# Altium PCB PCB_CAR.PcbDoc (part 3 of 3)
Units mil, origin at the board's own origin, x right, y up, seen from the top; angles counter-clockwise.
Board outline 3935 x 3900 mil, 4 copper layers (Top Layer, GND, PWR, Bottom Layer), stack 23.756 mil thick; 301 components, 202 nets, 1108 pads, 579 vias.
Unrouted connection lines stored in the file: 7.
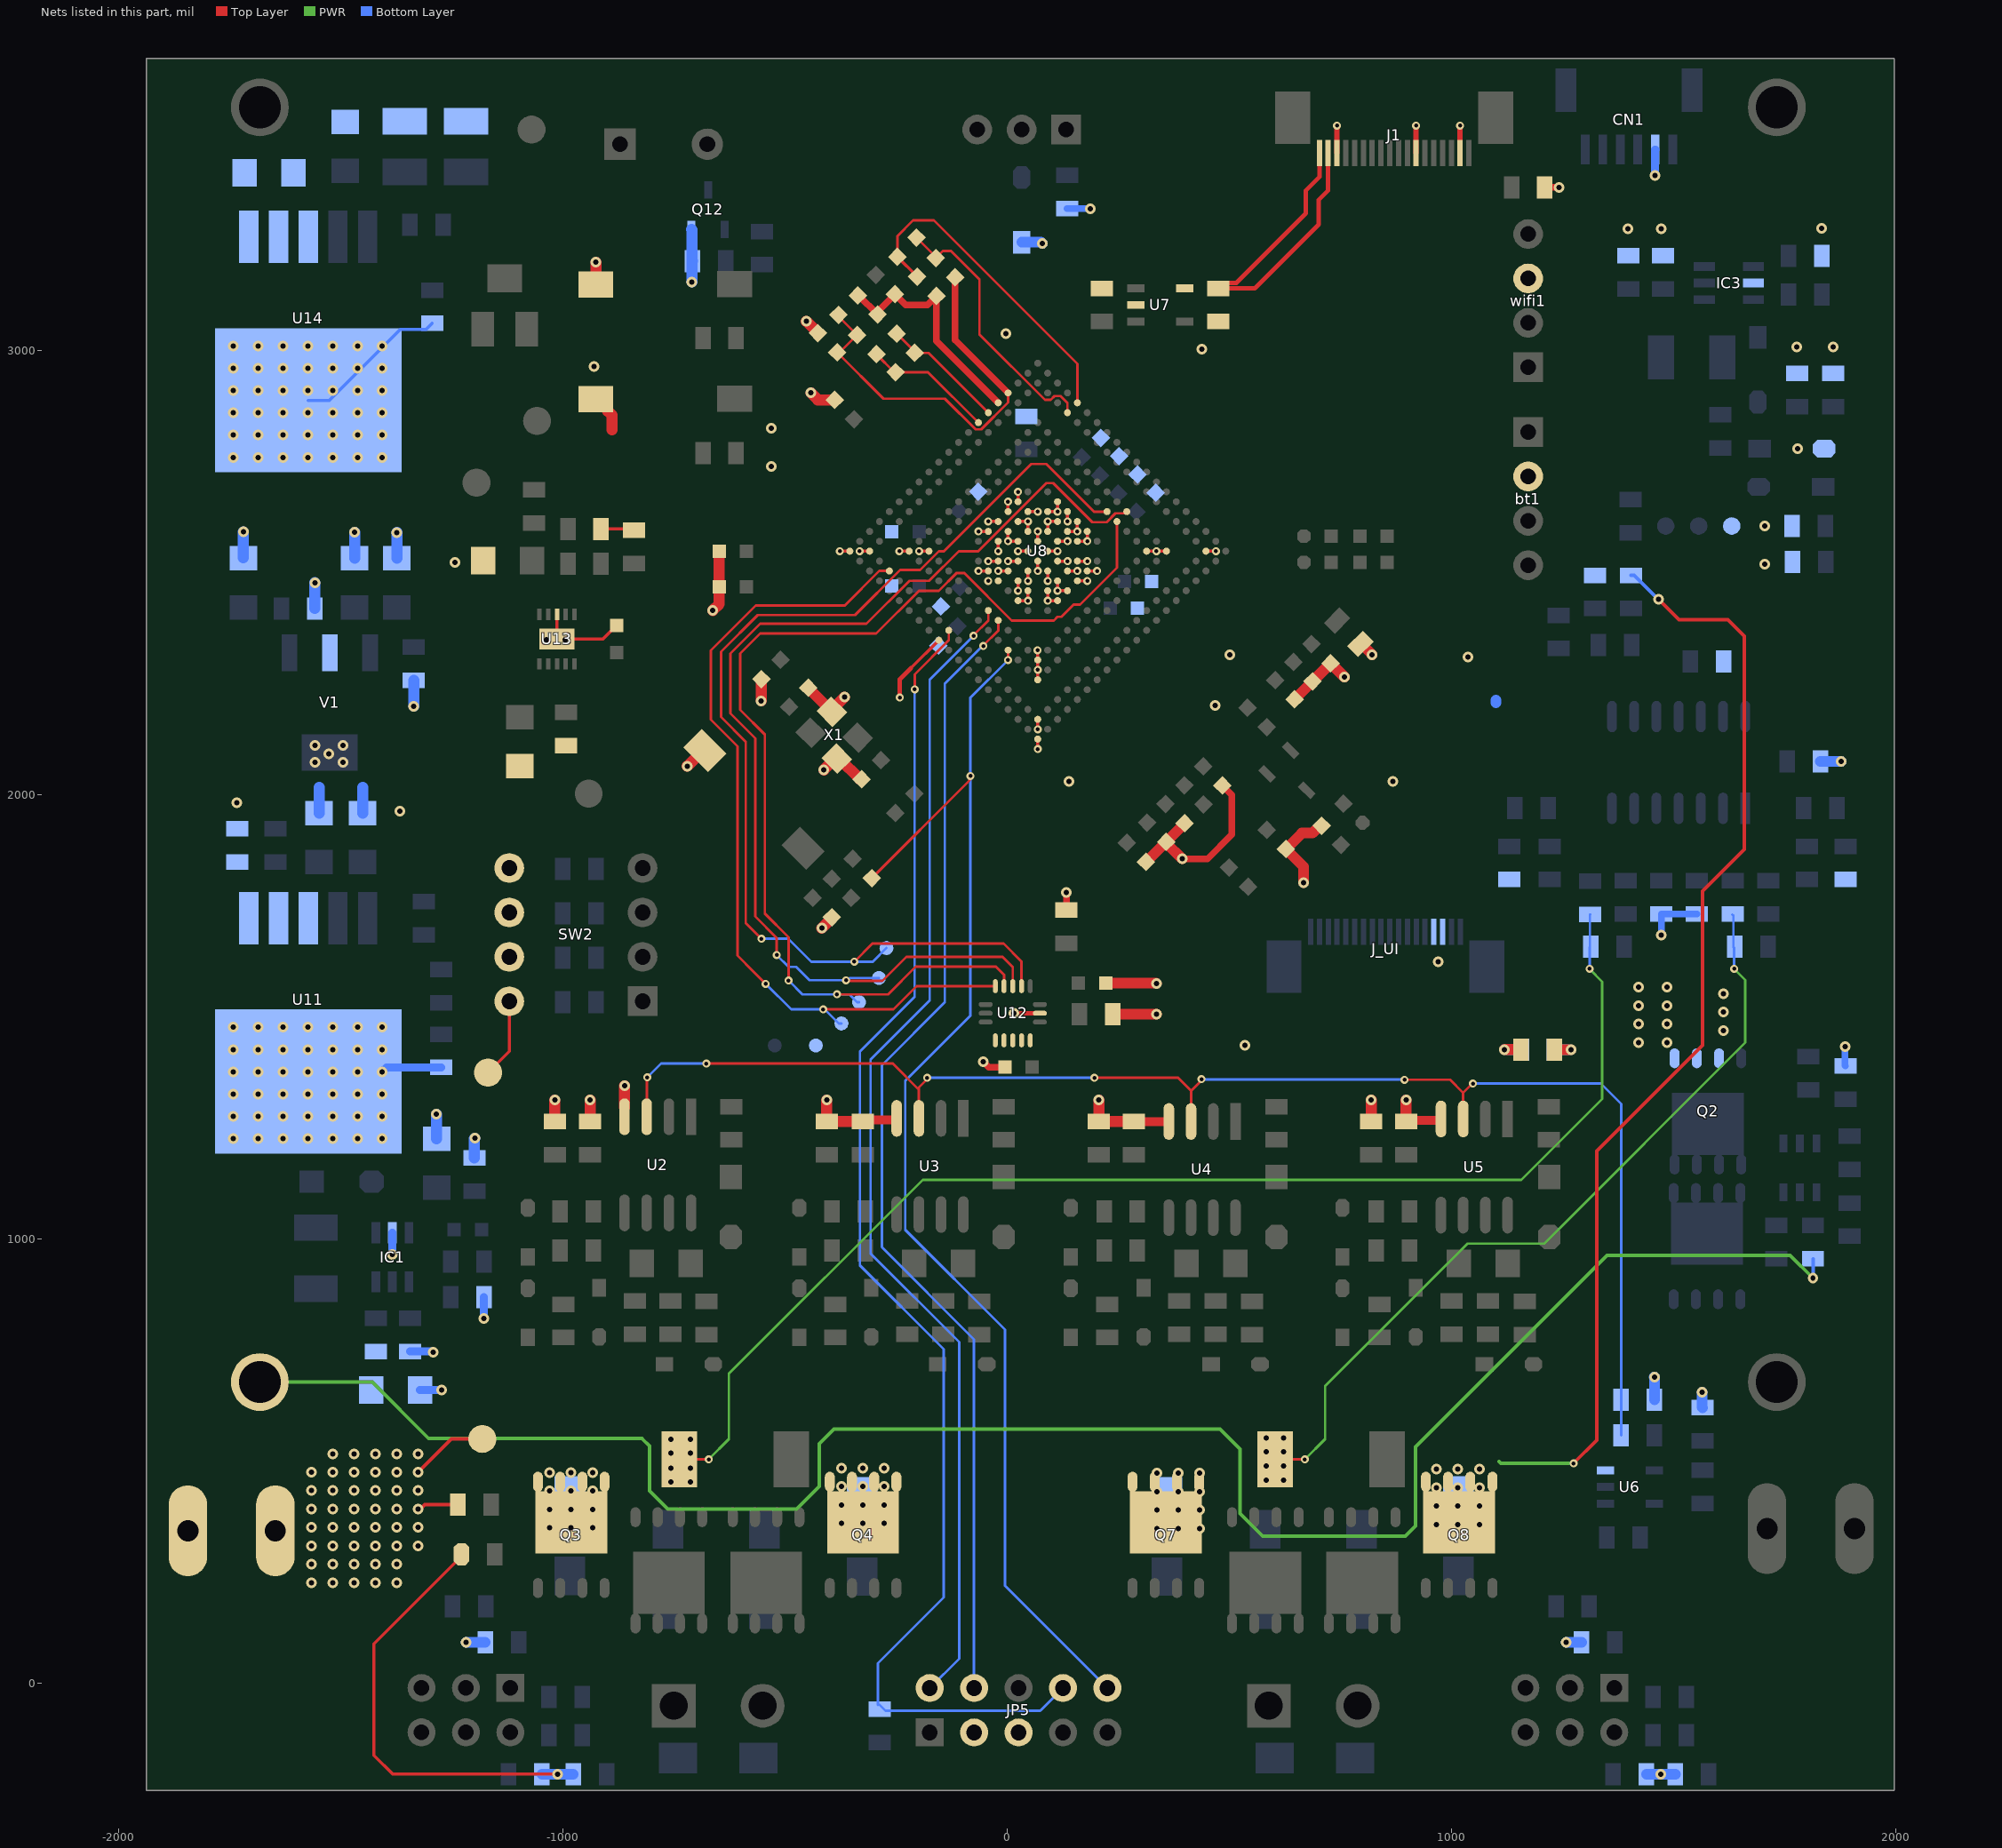
[diagram p5: the nets of this part, all layers, seen from the top]

## Via types
v1: diameter 24, hole 12, Top Layer to Bottom Layer, 415 vias
v2: diameter 18, hole 9, Top Layer to Bottom Layer, 163 vias
v3: diameter 48, hole 20, Top Layer to Bottom Layer, 1 vias

## Nets (pads, with @x,y where several pads share a name; then routed paths per layer and width w, separated by ;. In a path a pad name is that pad's centre, name@x,y a point inside that pad or via, vN(x,y) a via of type N, cw(c..) or ccw(c..) an arc to the next point about the centre after c; other vN are vias at no path point) (continued)
PB+: R2.2 U1.1 总电源.1 | length 4423.3
  PWR w8: U1.1@-1683,677.92 -1429.92,677.92 -1302.55,550.55 -822.43,550.55 -806.03,534.15 -806.03,433.33 -764.71,392.01 -474.99,392.01 -424,443 -424,538.8 -390.91,571.89 478.52,571.89 523.34,527.07 523.34,381.72 574.18,330.88 895.64,330.88 918.47,353.7 918.47,531.91 1349.75,963.2 1761.8,963.2 v1(1813.37,911.63)
  Bottom Layer w8: v1(1813.37,911.63) R2.2@1813.37,955.45
  Bottom Layer w15: v1(1813.37,911.63) v1@1815,910
PB-: bt1.2 C3.1 C3V3.1 C4.2 C5.1 C6.2 C7.1 C8.2 C9.1 C10.2 C12.2 C13.1 C14.1 C15.2 C33.2 C34.2 C35.2 C36.1 C37.1 C38.1 C39.1 C40.1 C41.2 C42.2 C43.1 C44.1 C45.2 C46.1 C47.2 C48.1 C49.2 C50.1 C51.2 C52.1 C53.1 C54.1 C55.1 C56.1 C57.1 C58.1 C59.2 C60.1 C61.2 C62.2 C63.2 C64.1 C65.1 C66.2 C67.2 C68.2 C69.2 C71.2 C72.2 C73.1 C74.1 C76.1 C77.1 C78.1 C79.1 C85.1 C86.1 C88.1 C131.1 CN1.5 D2.2 D28.1 GND.1 IC3.2 J1.2 J1.7 J1.16 J_UI.3 J_UI.4 JP5.3 JP5.5 L6.1 L7.1 L8.1 LB6.2 LED1.2 Q2.1 Q2.2 Q2.3 Q12.2 R3.1 R7.2 R10.2 R40.2 R41.2 R47.2 R50.2 R51.1 R59.2 R70.1 R79.2 R87.2 R89.2 R91.2 RC1.1 RC2.1 RES.1 RSH2.2 RSH6.2 SW2.5 SW2.6 SW2.7 SW2.8 SW3.2 SW4.2 U6.3 U7.2 U8.A20 U8.B2 U8.B19 U8.D4 U8.D17 U8.E5 U8.E16 U8.G9 U8.G10 U8.G11 U8.G12 U8.H9 U8.H10 U8.H11 U8.H12 U8.J7 U8.J8 U8.J10 U8.J11 U8.J13 U8.J14 U8.K7 U8.K8 U8.K9 U8.K10 U8.K11 U8.K12 U8.K13 U8.L7 U8.L8 U8.L9 U8.L10 U8.L11 U8.L12 U8.L13 U8.L14 U8.L20 U8.M7 U8.M8 U8.M10 U8.M11 U8.M13 U8.M14 U8.N9 U8.N10 U8.N11 U8.N12 U8.P9 U8.P10 U8.P11 U8.P12 U8.T16 U8.U17 U8.W19 U8.Y20 U11.3 U11.6 U12.9 U12.10 U12.11 U12.12 U12.13 U12.15 U13.8 U13.11 U14.3 U14.6 V1.2 wifi1.3 X1.2 X1.4 | length 6703.9
  Top Layer w7: LED1.2@-1229.2,290.06 -1229.2,285.37 -1426,88.57 -1426,-162.7 -1383.57,-205.13 v1(-1012.76,-205.13) ; GND.1@-1169.34,1374.74 -1121.42,1422.66 SW2.8@-1121.42,1535.37 ; U13.8@-1014.1,2406.17 U13.11@-1014.1,2350.6 -910.61,2350.6 R89.2@-879.59,2381.62 ; C69.2@-914.73,2598.73 -842.83,2598.73 R91.2@-840.31,2596.2 ; v2(-377.14,2548.7) U8.Y20@-354.87,2548.7 ; v2(-332.6,2548.7) U8.W19@-310.33,2548.7 ; v2(-243.51,2548.7) U8.U17@-221.24,2548.7 ; -217.18,2285.51 U8.L20@-154.43,2348.26 ; v2(-198.97,2548.7) U8.T16@-176.7,2548.7 ; v2(-65.34,2504.15) U8.M14@-43.07,2504.15 ; v2(-65.34,2593.24) U8.P12@-43.07,2593.24 ; v2(-43.07,2526.43) U8.M13@-20.8,2526.43 ; v2(-43.07,2615.51) U8.P11@-20.8,2615.51 ; v2(-20.8,2504.15) U8.L13@1.47,2504.15 ; v2(-20.8,2548.7) U8.N12@-20.8,2570.97 ; v2(1.47,2526.43) U8.L12@23.74,2526.43 ; U8.N11@1.47,2593.24 v2(1.47,2570.97) U8.M11@23.74,2570.97 ; U8.P10@1.47,2637.78 v2(1.47,2660.05) ; U8.J14@23.74,2437.34 v2(46.01,2437.34) U8.J13@46.01,2459.61 ; v2(23.74,2459.61) U8.K13@23.74,2481.88 ; v2(23.74,2548.7) U8.L11@46.01,2548.7 ; U8.N10@23.74,2615.51 v2(46.01,2615.51) U8.M10@46.01,2593.24 ; U8.P9@23.74,2660.05 v2(23.74,2682.32) ; v2(46.01,2481.88) U8.K12@46.01,2504.15 ; U8.N9@46.01,2637.78 v2(68.28,2637.78) ; v2(67.75,2325.45) 68.02,2325.19 68.02,2303.98 U8.E16@68.28,2303.72 U8.D17@68.28,2259.17 ; v2(68.28,2103.28) U8.A20@68.28,2125.55 ; v2(68.28,2147.82) U8.B19@68.28,2170.09 ; v2(68.28,2504.16) U8.K11@68.28,2526.43 ; U8.L10@68.28,2570.97 v2(68.28,2593.24) ; U8.H12@90.55,2459.61 v2(90.55,2437.34) U8.G12@112.82,2437.34 ; v2(90.55,2481.88) U8.J11@90.55,2504.15 ; U8.K10@90.55,2548.7 v2(112.82,2548.7) ; U8.L9@90.55,2593.24 v2(90.55,2615.51) U8.L8@112.82,2615.51 ; U8.M8@90.55,2637.78 v2(112.82,2637.78) U8.M7@112.82,2660.05 ; U8.H11@112.82,2481.88 v2(112.82,2459.61) U8.G11@135.1,2459.61 ; U8.J10@112.82,2526.43 v2(135.1,2526.43) ; U8.K9@112.82,2570.97 v2(135.1,2570.97) ; U8.H10@135.1,2504.15 v2(157.37,2504.15) ; U8.K8@135.1,2593.24 v2(157.37,2593.24) U8.K7@157.37,2615.51 ; v2(135.1,2615.51) U8.L7@135.1,2637.78 ; U8.G10@157.37,2481.88 v2(179.64,2481.88) ; U8.H9@157.37,2526.43 v2(179.64,2526.43) ; U8.J8@157.37,2570.97 v2(179.64,2570.97) U8.J7@179.64,2593.24 ; U8.G9@179.64,2504.15 v2(201.91,2504.15) ; U8.E5@313.26,2548.7 v2(335.54,2548.7) U8.D4@357.81,2548.7 ; U8.B2@446.89,2548.7 v2(469.16,2548.7)
  Top Layer w10: v2(-242.27,2219.06) -242.27,2260.41 -217.18,2285.51 ; 26.37,1506 28.69,1508.32 U12.15@73.03,1508.32
  Top Layer w12: J1.16@741.89,3445.47 v2(741.89,3506.89) v2@742,3507 ; J1.7@920.09,3445.47 v2(920.09,3506.89) ; J1.2@1019.09,3445.47 v2(1019.09,3506.89)
  Top Layer w15: v1(-54.21,1399) -42.21,1387 C65.1@-5.6,1387 ; C64.1@132.99,1740.8 v1(132.99,1780) ; v1(393.58,1855.97) 450.54,1855.97 505.46,1910.9 505.46,1999.4 R50.2@483.89,2020.97 ; C4.2@1209.64,3367.96 1209.88,3367.72 v1(1241.45,3367.72)
  Top Layer w24: C15.2@221.17,1576 334.86,1576 v1(335.13,1575.73) ; C63.2@236.79,1506 v1(335.54,1506) ; C59.2@312.01,1848.99 C59.2@312.01,1848.99 R40.2@399.04,1936.12 R40.2@399.04,1936.12 ; C62.2@357.4,1894.07 357.4,1892.16 v1(393.58,1855.97) ; C42.2@646.18,2215.02 C53.1@727.52,2296.36 758.58,2265.3 v1(758.73,2265.3) ; v1(667,1802) 667,1837.86 R41.2@626.93,1877.94 662.99,1914 686.64,1914 703.37,1930.73 R3.1@707.61,1930.73 ; C3V3.1@794.9,2339.79 796.94,2339.79 v1(821.09,2315.63) ; RC1.1@1231.53,1426.45 v1(1268.65,1426.45)
  Top Layer w25: SW4.2@-926.58,2891.26 -916.74,2891.26 -899.71,2874.23 -899.71,2864.39 -889.89,2854.56 -889.89,2821.74 ; SW3.2@-926.58,3149.05 v1(-926.58,3199.46) ; v1(-721,2064.58) -685.7,2099.88 RES.1@-681.25,2099.88 ; v1(-663.31,2415.07) -648.71,2429.67 C45.2@-648.71,2468 C47.2@-648.71,2548.7 ; v1(-554.44,2211.43) -554.11,2211.77 C49.2@-554.11,2260.83 ; v1(-452.77,3066.43) -426.71,3040.36 LB6.2@-426.71,3039.58 ; C41.2@-448.1,2241.34 -448.1,2240.73 X1.4@-395.23,2187.87 ; v1(-442.56,2905.03) -426.62,2889.09 C61.2@-388.7,2889.09 ; v1(-417.62,1700.18) -395.31,1722.49 C88.1@-395.31,1724.65 ; v1(-413.55,2056) -388.08,2081.48 X1.2@-384.1,2081.48 -378.3,2081.48 -331.84,2035.02 C51.2@-328.31,2035.02 ; X1.4@-395.23,2187.26 X1.4@-395.23,2187.87 ; v1(-366.63,2220.22) -395.23,2191.61 X1.4@-395.23,2187.87
  Bottom Layer w7: U14.6@-1573.97,2888.5 -1526.47,2888.5 -1367.37,3047.6 -1309,3047.6 RSH6.2@-1295,3061.6
  Bottom Layer w15: L6.1@134.28,3320.05 134.51,3319.82 186.56,3319.82 v1(186.79,3319.59) ; v1(1472.12,1684.36) 1472.12,1731.37 R51.1@1471.9,1731.6 R70.1@1552.26,1731.6 ; v1(1885.88,1433.02) 1885.88,1390.28 R10.2@1886.71,1389.45
  Bottom Layer w18: v1(-1407.32,1376.43) -1397.43,1386.31 RSH2.2@-1275,1386.31 ; v1(1457.79,3394.89) 1458.05,3395.15 1458.05,3452.71 CN1.5@1458.31,3452.97
  Bottom Layer w24: v1(-1219,92) L7.1@-1175.4,92 ; C76.1@-1048.06,-205.13 v1(-1012.76,-205.13) C77.1@-977.46,-205.13 ; D28.1@32,3244.14 75.74,3244.14 v1(78.54,3241.33) ; 1099.41,2213.17 1099.48,2213.11 1099.48,2207.67 ; RC2.1@1231.72,1426.45 v1(1268.65,1426.45) ; v1(1258,92) L8.1@1292.6,92 ; C85.1@1438.49,-205.13 C86.1@1503.68,-205.13 ; v1@1456.21,689 v1(1456.37,688.84) R47.2@1456.37,638.29 ; v1(1564,655) 1564,621.15 R59.2@1564.75,620.4 ; C3.1@1830.27,2074.97 v1(1876.81,2074.97)
  Bottom Layer w25: C36.1@-1719.89,2533.74 v1(-1719.88,2592.01) ; C37.1@-1559.07,2419.62 v1(-1559.07,2477.89) ; C13.1@-1549.77,1959 -1549.77,2017.26 ; C40.1@-1469.59,2532.54 v1@-1469.59,2590.8 ; C14.1@-1451.77,1959 -1451.77,2017.26 ; C39.1@-1374.51,2532.54 v1@-1374.51,2590.8 ; v1(-1336.54,2199.8) C38.1@-1336.53,2258.07 ; Q12.2@-711.4,3273 -710.4,3272 -710.4,3203 R79.2@-709.4,3202 -710.4,3201 v1(-710.4,3154.6)
  other v1: 1471.09,-205.13 -1742.5,1225.7 -1686.64,1225.7 -1630.77,1225.7 -1574.91,1225.7 -1519.05,1225.7 -1463.18,1225.7 -1407.32,1225.7 -1742.5,1275.94 -1686.64,1275.94 -1630.77,1275.94 -1574.91,1275.94 -1519.05,1275.94 -1463.18,1275.94 -1407.32,1275.94 -1742.5,1326.19 -1686.64,1326.19 -1630.77,1326.19 -1574.91,1326.19 -1519.05,1326.19 -1463.18,1326.19 -1407.32,1326.19 -1742.5,1376.43 -1686.64,1376.43 -1630.77,1376.43 -1574.91,1376.43 -1519.05,1376.43 -1463.18,1376.43 -1742.5,1426.67 -1686.64,1426.67 -1630.77,1426.67 -1574.91,1426.67 -1519.05,1426.67 -1463.18,1426.67 -1407.32,1426.67 534.8,1435.77 1421,1442.51 1484.37,1442.51 1612,1469.51 -1742.5,1476.91 -1686.64,1476.91 -1630.77,1476.91 -1574.91,1476.91 -1519.05,1476.91 -1463.18,1476.91 -1407.32,1476.91 1421,1484.01 1484.37,1484.01 14.3,1508.32 1612,1511.01 1421,1525.5 1484.37,1525.5 1612,1552.5 1421,1567 1484.37,1567 969.52,1624.51 -1368,1963 -1734.6,1982.23 138.1,2030.74 867.82,2030 -1559.07,2073.47 -1495.54,2073.47 -1527.34,2092.45 -1559.07,2111.73 -1495.54,2111.73 467.74,2201.03 1036.92,2310.13 500.24,2315.36 -1037.3,2349.58 -995.4,2349.58 1704.6,2519.2 -1244.07,2523.66 -1374.36,2590.71 -1469.33,2591.84 1704.6,2605.38 -531.69,2739.07 -1742.5,2759.78 -1686.64,2759.78 -1630.77,2759.78 -1574.91,2759.78 -1519.05,2759.78 -1463.18,2759.78 -1407.32,2759.78 1779.02,2779.38 -1742.5,2810.03 -1686.64,2810.03 -1630.77,2810.03 -1574.91,2810.03 -1519.05,2810.03 -1463.18,2810.03 -1407.32,2810.03 -531.69,2825.16 -1742.5,2860.27 -1686.64,2860.27 -1630.77,2860.27 -1574.91,2860.27 -1519.05,2860.27 -1463.18,2860.27 -1407.32,2860.27 -1742.5,2910.51 -1686.64,2910.51 -1630.77,2910.51 -1574.91,2910.51 -1519.05,2910.51 -1463.18,2910.51 -1407.32,2910.51 -1742.5,2960.75 -1686.64,2960.75 -1630.77,2960.75 -1574.91,2960.75 -1519.05,2960.75 -1463.18,2960.75 -1407.32,2960.75 -931.19,2964.91 437.71,3003.87 1777.2,3008.88 1859.31,3008.88 -1742.5,3011 -1686.64,3011 -1630.77,3011 -1574.91,3011 -1519.05,3011 -1463.18,3011 -1407.32,3011 -3.72,3038.41 1396.9,3274.73 1472.1,3274.73 1833.3,3275.75
  other v2: 68.02,2281.71 -43.07,2481.88
PGND: C18.1 C19.1 C20.1 C21.1 C24.1 C25.1 C26.1 C27.1 C28.2 C29.2 C31.2 C32.2 C70.1 C75.1 IC1.2 R44.2 R63.1 R64.2 R75.1 R76.2 RC1.2 RC2.2 U2.4 U3.4 U4.4 U5.4 | length 5861.7
  Top Layer w5.7: R63.1@-738.98,504.01 v2(-672.54,504.01) ; R75.1@603.02,504.01 v2(669.46,504.01)
  Top Layer w20: C20.1@-326,1264.4 -322.38,1268.03 -251.01,1268.03 -249.33,1269.71 U3.4@-249.33,1271.66 ; C24.1@285,1264.4 285.12,1264.53 363.2,1264.53 U4.4@363.33,1264.66 ; C26.1@897.39,1264.4 900.33,1267.34 974.33,1267.34 976,1269.01 U5.4@976,1270.27
  Top Layer w25: C18.1@-1019,1264.4 v1(-1019,1312.94) ; C19.1@-939.61,1264.4 v1(-939.61,1312.94) ; U2.4@-862,1296.25 v1(-862,1344.79) ; v1(-407,1312.94) C21.1@-407,1264.4 C20.1@-326,1264.4 ; v1(206,1312.94) C25.1@206,1264.4 C24.1@285,1264.4 ; C27.1@819,1264.4 v1(819,1312.94) ; C26.1@897.39,1264.4 v1(897.39,1312.94) ; v1(1119.08,1426.45) RC1.2@1156.73,1426.45
  PWR w5.7: v2(-672.54,504.01) -627,549.55 -627,696.82 -190.82,1133 1157,1133 1339,1315 1339,1579.21 v2@1310.56,1607.65 ; v2(669.46,504.01) 715,549.55 715,669 1035.5,989.5 1208.5,989.5 1661.04,1442.04 1661.04,1583.44 v2(1635.91,1608.57)
  Bottom Layer w5.7: v2@1310.56,1607.65 1310.56,1657.16 1311.22,1657.82 1311.22,1730.24 R64.2@1311.74,1730.76 ; R76.2@1632,1730.6 1634.36,1728.25 1634.36,1657.82 1635.91,1656.26 v2(1635.91,1608.57)
  Bottom Layer w18: IC1.2@-1384.62,1014.09 v1(-1384.62,965.45) v1@-1383.97,964.8 ; C32.2@-1344.62,746.57 -1293.82,746.57 v1@-1291.08,743.83 ; C31.2@-1322.46,660.03 v1(-1274.19,660.03) ; v1(-1178.65,821.37) R44.2@-1178.65,868.97
  Bottom Layer w25: v1(-1285.3,1280.76) -1285.01,1280.47 C28.2@-1285.01,1225.99 ; C29.2@-1200,1182.3 -1200,1226.14 v1(-1199.11,1227.03) ; v1(1119.08,1426.45) RC2.2@1156.91,1426.44
  other v1: -758.07,453.23 -713.78,453.23 583.05,457.1 621.42,457.1 -758.07,484.09 -713.78,484.09 583.05,488.84 621.42,488.84 -758.07,517.85 -713.78,517.85 583.05,520.59 621.42,520.59 -758.07,548.71 -713.78,548.71 583.05,552.34 621.42,552.34 -1292.45,745.2
  other v2: 1310.56,1608.57
RST: JP5.10 R8.2 U8.G17 | length 2943.2
  Top Layer w5.7: R8.2@-305.17,1812.71 -85.59,2032.3 -85.59,2040.59 v2(-83.48,2042.69) ; v2(1.47,2303.72) U8.G17@1.47,2325.99
  Bottom Layer w5.7: v2(1.47,2303.72) -83.48,2218.76 v2(-83.48,2042.69) -83.48,1502.81 -230.11,1356.19 -230.11,1020.78 -5.32,795.99 -5.32,219.32 JP5.10@225,-11
SD1: R46.2 R47.1 U2.3 U3.3 U4.3 U5.3 | length 3338
  Top Layer w5.7: U2.3@-812,1275.27 -811.5,1275.77 -811.5,1363.5 v2(-811,1364) ; v2(-678,1395) -258,1395 -199.33,1336.33 ; U3.3@-199.33,1271.66 -199.33,1336.33 ; v2(-180.83,1362.86) -180.83,1359.89 -199.33,1341.39 -199.33,1336.33 ; v2(195.94,1362.86) 384.02,1362.86 413.33,1333.56 ; U4.3@413.33,1264.66 413.33,1333.56 ; v2(437,1359.89) 437,1357.22 413.33,1333.56 ; v2(893.71,1358.6) 996.4,1358.6 1026,1329 ; U5.3@1026,1270.27 1026,1329 ; v2(1047.82,1350.03) 1047.03,1350.03 1026,1329
  Bottom Layer w5.7: v2(-811,1364) -780,1395 v2(-678,1395) ; v2(-180.83,1362.86) v2(195.94,1362.86) ; v2(437,1359.89) 437.64,1359.25 893.07,1359.25 v2(893.71,1358.6) ; v2(1047.82,1350.03) 1335.97,1350.03 1381.57,1304.43 R46.2@1381.57,558.29
SPI3_CS6_P23_1: CS.1 U8.U19 U12.5 | length 1894.9
  Top Layer w5.7: v2(-544.3,1574.65) -571.18,1601.54 -607.79,1638.15 -607.79,2109.12 -667.76,2169.09 -667.76,2325.51 -566.56,2426.71 -366.21,2426.71 -288.76,2504.15 U8.U19@-265.78,2504.15 ; v2(-414.96,1517.14) -256.47,1517.14 -204.27,1569.34 U12.5@-27.36,1569.34 ; U8.U19@-265.82,2502.42 U8.U19@-265.78,2502.46
  Bottom Layer w5.7: v2(-544.3,1574.65) -486.79,1517.14 v2(-414.96,1517.14) -411.63,1517.14 -379.81,1485.32 CS.1@-373.68,1485.32
SPI3_MISO_P01_5: MISO.1 U8.H5 U12.4 | length 2515.9
  Top Layer w5.7: v2(-492.85,1582.18) -492.85,1679.37 -546.14,1732.66 -546.14,2135.8 -601.38,2191.04 -601.38,2318.54 -556.7,2363.23 -295.31,2363.23 -199.06,2459.47 -154.24,2459.47 -113.94,2499.77 -97.86,2499.77 9.64,2392.27 104.31,2392.27 112.81,2400.77 121.37,2400.77 148.91,2428.31 163.38,2428.31 246.45,2511.38 U8.H5@246.45,2615.51 ; v2(-383.73,1550.74) -268.51,1550.74 -206.24,1613 -26.03,1613 -7.68,1594.65 U12.4@-7.68,1569.34
  Bottom Layer w5.7: v2(-492.85,1582.18) -461.4,1550.74 v2(-383.73,1550.74) -355.81,1550.74 -338.33,1533.26 MISO.1@-334.22,1533.26
SPI3_MOSI_P01_6: MOSI.1 U8.H4 U12.3 | length 2526.1
  Top Layer w5.7: v2(-519.46,1639.26) -519.46,1677.81 -567.81,1726.16 -567.81,2127.46 -623.56,2183.21 -623.56,2318.32 -556.55,2385.33 -317.26,2385.33 -220.7,2481.88 -176.3,2481.88 -109.73,2548.46 -65.89,2548.46 87.61,2701.96 103.04,2701.96 191,2614 223.28,2614 243.14,2633.86 262.08,2633.86 266,2637.78 U8.H4@268.72,2637.78 ; v2(-363.41,1582.67) -362.24,1581.5 -281.42,1581.5 -227.55,1635.37 -10.87,1635.37 12.01,1612.49 U12.3@12.01,1569.34
  Bottom Layer w5.7: v2(-519.46,1639.26) -492.85,1612.65 -475.28,1612.65 -445.3,1582.67 v2(-363.41,1582.67) -360.08,1582.67 -354.88,1587.86 MOSI.1@-289.43,1587.86
SPI3_SCLK_P01_7: SCLK.1 U8.J5 U12.2 | length 2553.5
  Top Layer w5.7: v2(-553.96,1676.23) -589.09,1711.36 -589.09,2119.48 -644.74,2175.13 -644.74,2322.36 -562.08,2405.01 -342.94,2405.01 -241.62,2506.33 -196.65,2506.33 -154.53,2548.46 -142.89,2548.46 53.72,2745.07 87.79,2745.07 195.08,2637.78 U8.J5@224.18,2637.78 ; v2(-344.83,1624.4) -304.22,1665.01 -8.47,1665.01 31.69,1624.85 U12.2@31.69,1569.34
  Bottom Layer w5.7: v2(-553.96,1676.23) -493.4,1676.23 -441.57,1624.4 v2(-344.83,1624.4) -303.12,1624.4 SCLK.1@-272.38,1655.15
TCK: JP5.4 U8.J16 | length 2599.3
  Top Layer w5.7: v2(-54.21,2335) -54.21,2336.59 -20.8,2370 U8.J16@-20.8,2392.8
  Bottom Layer w5.7: JP5.4@-75.25,-10.75 -75.25,774.25 -282.77,981.77 -282.77,1391.5 -140.91,1533.36 -140.91,2209.24 -140.91,2250.42 -56.33,2335 v2(-54.21,2335)
TMS: JP5.2 U8.K16 | length 2665.7
  Top Layer w5.7: v2(-76.23,2357.91) -76.23,2359.12 -43.07,2392.27 U8.K16@-43.07,2415.07
  Bottom Layer w5.7: JP5.2@-175,-31 JP5.2@-175,-11 -108.82,55.18 -108.82,768 -308,967.18 -308,1404 -175,1537 -175,2243.33 -175,2259.16 v2(-76.23,2357.91)
TRST: JP5.8 R49.1 U8.L19 | length 3085.7
  Top Layer w5.7: v2(-208.78,2237.56) -208.78,2271.63 -132.16,2348.26 U8.L19@-132.16,2370.53
  Bottom Layer w5.7: R49.1@-291.76,-49.42 -291.76,44.89 -143.53,193.12 -143.53,752.17 -332,940.64 -332,1422 -209.1,1544.9 v2@-209.1,2242.33 ; R49.1@-287.4,-49.42 -274.77,-62.05 -183.34,-62.05 -183.24,-62.15 73.85,-62.15 JP5.8@125,-11
VAGND1: C91.1 R54.1 U8.Y7 | length 293.4
  Top Layer w5.7: R54.1@-294.98,2992.15 -254.6,2951.78 C91.1@-252.04,2951.78 -178.9,2951.78 U8.Y7@-65.34,2838.22
VAGND2: C92.1 R56.1 U8.T2 | length 609.8
  Top Layer w5.7: C92.1@-204.59,3254.84 -161.25,3211.49 R56.1@-161.25,3208.64 -145.56,3224.32 -127.01,3224.32 -63,3160.31 -63,3036.85 84.19,2889.66 97.45,2889.66 105.93,2898.14 119.19,2898.14 135.1,2882.23 U8.T2@135.1,2860.49
VAREF1: C91.2 R53.2 U8.Y6 | length 281.5
  Top Layer w5.7: R53.2@-249.09,3038.41 -208.78,2998.1 C91.2@-208.78,2995.04 -177.62,2995.04 U8.Y6@-43.07,2860.49
VAREF2: C92.2 R55.2 U8.T1 | length 750.9
  Top Layer w5.7: C92.2@-247.85,3211.57 -247.85,3258.08 -212.62,3293.31 -165.75,3293.31 49.25,3078.31 157.37,2970.19 U8.T1@157.37,2882.76
  Top Layer w7: C92.2@-247.85,3211.57 R55.2@-203.08,3166.8
VCC3V3_CA: C33.1 J1.17 J1.18 U7.5 | length 870.8
  Top Layer w10: J1.18@702.29,3445.47 702.29,3391.29 672.09,3361.09 672.09,3309.56 515.58,3153.04 487.49,3153.04 C33.1@474.99,3140.54 556.91,3140.54 701,3284.63 701,3340 722.09,3361.09 J1.17@722.09,3445.47
VDDM: C90.2 LB2.2 R53.1 R55.1 U8.Y5 | length 534.6
  Top Layer w15: C90.2@-337,3124.23 -334.91,3124.23 R53.1@-292.35,3081.67 -292.35,3088.25 LB2.2@-253.18,3127.42 -228.76,3103 -180.36,3103 R55.1@-159.82,3123.54 -159.82,3021.78 U8.Y5@-20.8,2882.76
VIN: 8V.1 C5.2 C9.2 C31.1 D5.2 D6.2 D16.2 D17.2 L3.1 Q3.5 Q3.6 Q3.7 Q3.8 Q3.9 Q4.5 Q4.6 Q4.7 Q4.8 Q4.9 Q7.5 Q7.6 Q7.7 Q7.8 Q7.9 Q8.5 Q8.6 Q8.7 Q8.8 Q8.9 R1.1 R85.2 U11.1 U11.2 U14.1 U14.2 总电源.2 | length 2776.2
  Top Layer w8: v1(-1326.52,392.01) -1322.19,392.01 -1312.13,402.07 R85.2@-1237.4,402.07 ; v1(-1326.52,475) -1251.65,549.87 8V.1@-1182.16,549.87 ; v2(1274.28,494.65) 1326.52,546.89 1326.52,1198.52 1564.47,1436.47 1564.47,1783.43 1658.74,1877.7 1658.74,2357.66 1621.59,2394.81 1511.66,2394.81 v1(1465.99,2440.48)
  Top Layer w10: v1(-1326.52,475) v1@-1322.73,475
  PWR w8: 1106.48,499.03 1110.85,494.65 v2(1274.28,494.65)
  Bottom Layer w8: R1.1@1403.51,2494.4 1411.01,2494.4 1464.93,2440.48 v1(1465.99,2440.48)
  other v1: -1567.25,226.03 -1519.1,226.03 -1470.96,226.03 -1422.81,226.03 -1374.66,226.03 -1567.25,267.52 -1519.1,267.52 -1470.96,267.52 -1422.81,267.52 -1374.66,267.52 -1567.25,309.02 -1519.1,309.02 -1470.96,309.02 -1422.81,309.02 -1374.66,309.02 -1326.52,309.02 336.45,348.22 384.6,348.22 432.74,348.22 -1567.25,350.52 -1519.1,350.52 -1470.96,350.52 -1422.81,350.52 -1374.66,350.52 -1326.52,350.52 -1030.37,349.91 -982.22,349.91 -934.08,349.91 965.98,357.41 1014.13,357.41 1062.28,357.41 -373.38,359.55 -325.23,359.55 -277.09,359.55 336.45,389.72 384.6,389.72 432.74,389.72 -1030.37,391.41 -982.22,391.41 -934.08,391.41 -1567.25,392.01 -1519.1,392.01 -1470.96,392.01 -1422.81,392.01 -1374.66,392.01 965.98,398.91 1014.13,398.91 1062.28,398.91 -373.38,401.05 -325.23,401.05 -277.09,401.05 336.45,431.21 384.6,431.21 432.74,431.21 -1567.25,433.51 -1519.1,433.51 -1470.96,433.51 -1422.81,433.51 -1374.66,433.51 -1326.52,433.51 -1030.37,432.9 -982.22,432.9 -934.08,432.9 965.98,440.4 1014.13,440.4 1062.28,440.4 -373.38,442.54 -325.23,442.54 -277.09,442.54 336.45,472.71 384.6,472.71 432.74,472.71 -1030.37,474.4 -982.22,474.4 -934.08,474.4 -1567.25,475 -1519.1,475 -1470.96,475 -1422.81,475 -1374.66,475 965.98,481.9 1014.13,481.9 1062.28,481.9 -373.38,484.04 -325.23,484.04 -277.09,484.04 -1519.1,516.5 -1470.96,516.5 -1422.81,516.5 -1374.66,516.5 -1326.52,516.5
VSSM: C90.1 LB6.1 R54.2 R56.2 U8.Y4 | length 937.7
  Top Layer w5.7: C90.1@-380.26,3080.97 -380.26,3077.44 R54.2@-338.24,3035.41 -377.33,2996.32 LB6.1@-383.45,2996.32 -279.16,2892.04 -140.91,2892.04 -71.71,2822.85 -58.98,2822.85 1.47,2883.29 U8.Y4@1.47,2905.03
  Top Layer w15: R56.2@-117.98,3165.38 -117.98,3024.49 U8.Y4@1.47,2905.03
pads on no net: CN1.3 CN1.4 CN1.7 CN1.8 IC1.6 IC2.12 IC2.13 IC2.14 IC3.6 J1.0 J_UI.0 JP8.5 JP8.6 JP9.5 JP9.6 U7.4 U8.A1 U8.B6 U8.B7 U8.B10 U8.C20 U8.D6 U8.D7 U8.D8 U8.D9 U8.D10 U8.D14 U8.E7 U8.E8 U8.E9 U8.E10 U8.E20 U8.F1 U8.F2 U8.F4 U8.F5 U8.F17 U8.F20 U8.G4 U8.G5 U8.G16 U8.G19 U8.G20 U8.J17 U8.J19 U8.J20 U8.K14 U8.K17 U8.K19 U8.K20 U8.L4 U8.L5 U8.L16 U8.L17 U8.M1 U8.M2 U8.M4 U8.M5 U8.M16 U8.M17 U8.N1 U8.N2 U8.N4 U8.N5 U8.N16 U8.N17 U8.P1 U8.P2 U8.P4 U8.P5 U8.P16 U8.P17 U8.P19 U8.P20 U8.R1 U8.R2 U8.R4 U8.R5 U8.R16 U8.R17 U8.R19 U8.R20 U8.T4 U8.T5 U8.T6 U8.T7 U8.T8 U8.T9 U8.T12 U8.T13 U8.T14 U8.T15 U8.T17 U8.T19 U8.T20 U8.U1 U8.U2 U8.U4 U8.U5 U8.U6 U8.U7 U8.U8 U8.U9 U8.U10 U8.U11 U8.U12 U8.U13 U8.U14 U8.U15 U8.U16 U8.U20 U8.V1 U8.V2 U8.W1 U8.W3 U8.W4 U8.W6 U8.W7 U8.W9 U8.W10 U8.W11 U8.W12 U8.W15 U8.W16 U8.W17 U8.Y1 U8.Y2 U8.Y3 U8.Y8 U8.Y9 U8.Y11 U8.Y12 U8.Y17 U12.6 U12.7 U12.8 U13.6 V1.4

## Polygon pours and split planes (outlines as drawn)
3.3V on PWR "3.3V_L03_P004" (solid, remove dead copper, pour order 4): -1938.14,-241.82 1996.86,-241.82 1996.86,3658.18 -1938.14,3658.18
1.3V on PWR "1.3V_L03_P001" (solid, remove dead copper, pour order 1): -797.78,2759.78 -724.85,2686.85 -274.15,2686.85 -107.97,2853.03 186.45,2853.03 353.27,2686.22 353.27,2432.8 158.03,2237.56 -47.56,2237.56 -395,2585 -790,2585 -866.04,2661.04 -1016.04,2661.04 -1026,2671 -1026,2745.78 -1012,2759.78
VIN on PWR "VIN_L03_P003" (solid, remove dead copper, pour order 3): -1703,494 -1636,561 -1357.86,561 -1314.71,517.85 -898.37,517.85 -848,467.49 -848,428 -792.43,372.43 -448.26,372.43 -393.66,427.03 -393.66,518.52 -373.38,538.8 452.31,538.8 493,498.11 493,357 541.03,308.97 902.97,308.97 938.53,344.53 938.53,493.14 970.39,525 1103.16,525 1157,471.16 1157,162 1036,41 -1515,41 -1703,229 -1703,264
NetR9_2 on PWR "NETR9_2_L03_P000" (solid, remove dead copper, pour order 0): 1590,3408 1590,3496 -1553,3496 -1553,3453 -1812,3453 -1812,3646 1875,3646 1875,3408
PB- on GND "PB-_L02_P011" (solid, remove dead copper, pour order 11): -1938.14,-241.82 1996.86,-241.82 1996.86,3658.18 -1938.14,3658.18
NetR9_2 on GND "NETR9_2_L02_P010" (solid, remove dead copper, pour order 10): 1590,3408 1590,3496 -1553,3496 -1553,3453 -1812,3453 -1812,3646 1875,3646 1875,3408
PGND on GND "PGND_L02_P006" (solid, remove dead copper, pour order 6): 1182,1464 1182,47 -962,47 -1072,157 -1445,157 -1445,821 -1445,1089 -1335,1199 -1335,1270.39 -1260.6,1344.79 -904.41,1344.79 -850.19,1399 -558.57,1399 -507.57,1348 821.09,1348 821.09,1463.2
PB- on Top Layer "PB-_L01_P008" (solid, remove dead copper, pour order 8): -1938.14,-241.82 1996.86,-241.82 1996.86,3658.18 -1938.14,3658.18
PB- on Bottom Layer "PB-_L04_P009" (solid, remove dead copper, pour order 9): -1938.14,-241.82 1996.86,-241.82 1996.86,3658.18 -1938.14,3658.18

## Other copper
Top Layer:
  region net 1.3V: -1091,2677 -1091,2744.05 -1074.05,2761 -932.85,2761 -916.74,2744.89 -916.74,2677.1 -933.79,2660.05 -1090.82,2660.05
  region net NetC68_1: -1028.98,2409.54 -1028.98,2393.66 -1029.39,2393.25 -1074.95,2393.25 -1096.88,2415.18 -1096.88,2623.7 -1090.82,2629.76 -1090.58,2629.52 -1040.64,2629.52 -1028.98,2617.86 -1028.98,2415.03
  region net 3.3V: -989.45,2291.65 -989.45,2199.8 -997.63,2191.61 -1082.46,2191.61 -1058.25,2215.82 -1058.25,2307.61 -1058.11,2307.75 -989.52,2307.75
  region net 3.3V: -1260.31,2401 -1174,2401 -1152,2379 -1152,2221.4 -1131.67,2201.07 -974.73,2201.07 -974.73,2167.27 -1020.53,2167.27 -1042.73,2145.07 -1198.07,2145.07 -1260.31,2207.31
  region net VCC3V3_CA: 380,3141 380,3156.28 390.53,3166.8 484.8,3166.8 506,3188 526.64,3208.64 575,3208.64 575,3152.36 545.03,3122.39 388.41,3122.39 379.72,3131.09
  region net PB-: 308.19,3112.04 262.39,3112.04 230.23,3144.2 229.37,3143.34 190.6,3143.34 190.6,3126.97 223.05,3094.53 293.26,3094.53
  region net +5V: 186.67,3075.75 322.52,3075.75 335.31,3088.54 335.31,3117.49 322.61,3130.19 266.09,3130.19 266.09,3151.61 274.13,3159.64 335.41,3159.64 356.82,3138.22 356.82,3068.61 327.97,3039.75 191.13,3039.75 185.18,3045.7 185.18,3052.84
  pour cut-out: -180,3533.28 -180,3258.08 -457.22,3258.08 -457.22,3533.28
  pour cut-out: 1546.51,18.12 1996.36,18.12 1996.36,-241.88 1546.51,-241.88
  pour cut-out: -1938,18 -1488.15,18 -1488.15,-242 -1938,-242
  pour cut-out: 520.83,3533 520.83,3254 243.61,3254 243.61,3533
  region net VIN: 1086.94,502.05 1107.81,481.19 1107.81,301.09 1089.84,283.12 938.84,283.12 929,292.96 929,490.6 940.45,502.05
  region net VIN: 425.99,505.09 446.86,484.22 446.86,304.12 428.89,286.16 277.89,286.16 268.05,296 268.05,493.63 279.5,505.09
  region net VIN: -255.63,504.51 -234.76,483.64 -234.76,303.55 -252.73,285.58 -403.74,285.58 -413.58,295.42 -413.58,493.05 -402.12,504.51
  region net VIN: -915.02,500 -894.15,479.13 -894.15,299.04 -912.12,281.07 -1063.13,281.07 -1072.97,290.91 -1072.97,488.55 -1061.51,500
  region net +15V: -1073.51,1232 -1049.52,1208.01 -748.57,1208.01 -726.87,1229.7 -726.87,1318.13 -714.61,1330.4 -545.75,1330.4 -482,1266.65 -482,1228.37 -464.3,1210.68 -123.39,1210.68 -111.01,1223.05 -111.01,1312.94 -82.56,1341.39 39.91,1341.39 173.98,1207.32 485.44,1207.32 498.82,1220.7 498.82,1314.92 525.29,1341.39 677.67,1341.39 812.18,1206.88 1092.88,1206.88 1114,1228 1114,1312 1145,1343 1269.56,1343 1279,1333.56 1279,1289 1257,1267 1253.73,1270.27 1153.27,1270.27 1136,1253 1136,1176 1104.04,1144.04 775.3,1144.04 647.52,1271.82 554.05,1271.82 539.51,1257.28 539.51,1178.05 501.04,1139.58 156.97,1139.58 31.89,1264.66 -52.42,1264.66 -69.84,1247.23 -69.84,1167.26 -97.52,1139.58 -498.35,1139.58 -541.2,1182.43 -541.2,1241 -564.6,1264.4 -653.7,1264.4 -685.7,1232.4 -685.7,1185.3 -731.42,1139.58 -1131.58,1139.58 -1148.42,1156.42 -1148.42,1225.58 -1142,1232
  region net PB+: -1599,540 -1639,500 -1711,500 -1747,464 -1747,237 -1777,207 -1896,207 -1914,225 -1914,729 -1872,771 -1685.15,771 -1599,684.85
  region net 3.3V: 145,1571.72 145,1449.79 147.49,1447.3 177.01,1447.3 180.76,1451.06 180.76,1574.25 173.21,1586.47 168.83,1588.73
  region net BAT_GND: 1806,638 1806,849 1753,902 1550,902 1535,887 1535,783 1569,749 1623,749 1650.04,721.96 1650.04,634.83 1679.87,605 1790.47,605 1805.87,620.4
  region net NetC75_2: 542.73,407 694.73,407 694.73,353.09 711.81,336 746.73,336 757.73,347 757.73,407 815.73,407 815.73,565 895.48,565 898.37,562.11 898.37,315 542.73,315
  region net NetC70_2: -800,407 -648,407 -648,353.09 -630.91,336 -596,336 -585,347 -585,407 -527,407 -527,565 -447.25,565 -444.36,562.11 -444.36,315 -800,315
  region net NetC17_1: -285,239.86 -382.86,239.86 -444.36,301.36 -648,301.36 -648,-70.23 -615.83,-102.4 -396.91,-102.4 -332.57,-38.06 -332.57,52.43 -285,100
  region net NetC23_1: 1054.55,239.86 956.68,239.86 895.19,301.36 691.55,301.36 691.55,-70.23 723.72,-102.4 942.63,-102.4 1006.98,-38.06 1006.98,52.43 1054.55,100
  region net NetC22_1: 272.16,219 272.16,239.86 408.89,239.86 408.89,184.52 419.96,173.44 482.6,173.44 495.59,186.44 495.59,301.36 669.9,301.36 669.9,-74.65 644.55,-100 497.55,-100 432.55,-35 432.55,20 411.55,41 358.55,41 330.55,69 330.55,125 272.16,183.38 272.16,187.25
  region net NetC16_1: -1067.39,219 -1067.39,239.86 -930.66,239.86 -930.66,184.52 -919.58,173.44 -856.95,173.44 -843.95,186.44 -843.95,301.36 -669.65,301.36 -669.65,-74.65 -695,-100 -842,-100 -907,-35 -907,20 -928,41 -981,41 -1009,69 -1009,125 -1067.38,183.38 -1067.38,187.25
Bottom Layer:
  region net +5V: 1372.9,3138.88 1372.9,3086.76 1383.29,3076.38 1461,3076.38 1461,3095.45 1464.93,3099.38
  region net -10V: 1810.9,2713.38 1810.9,2501.38 1813.9,2498.38 1857.31,2498.38 1859.31,2500.38 1859.31,2690.38
  region net NetC11_1: 1580.17,2797.98 1713.3,2797.98 1718.9,2792.38 1718.9,2690.38 1702.9,2674.38 1671.41,2674.38 1671.41,2674.53 1659.49,2686.45 1659.49,2741.8 1637.26,2764.02 1582.67,2764.02
  region net +10V: 1679.9,2910.38 1878.13,2910.38 1883.9,2904.61 1883.9,2866.35 1874.08,2856.53 1686.49,2856.53 1671.41,2871.61
  region net NetC11_2: 1579.9,2937.38 1579.9,2863.09 1587.38,2855.61 1591.51,2859.73 1630.1,2859.73 1630.1,2945.83 1627.15,2948.78
  region net NetC11_2: 1581.18,2995.15 1581.18,3051.11 1610.38,3080.31 1627.15,3063.55 1627.15,3014.38
  region net NetC11_2: 1693.9,3180.38 1652.9,3180.38 1640.9,3168.38 1640.9,3076.38 1661.4,3055.88 1708.9,3055.88 1708.9,3001.38 1682.9,2975.38 1604.9,2975.38 1585.9,2994.38 1605.41,3013.89 1605.41,3177.89 1627.15,3199.62 1691.82,3199.62 1693.07,3198.38
  region net +5V: 1591.9,3162.38 1591.9,3117.38 1582.86,3108.34 1482.74,3108.34 1476.1,3114.98 1489.69,3128.57 1489.69,3156.91 1577.38,3156.91 1577.9,3156.38
  region net +5V: 1500.9,3157.38 1500.9,3014.38 1489.9,3003.38 1447.9,3003.38 1447.9,3027.38 1440.9,3034.38 1440.9,3077.38 1396.9,3121.38 1372.9,3121.38 1372.9,3156.38
  region net 3.3V: -1500.85,2394.36 -1500.85,2456.74 -1490.52,2467.07 -1192.37,2467.07 -1166,2440.7 -1166,2320 -1184.14,2301.86 -1379.75,2301.86 -1408.52,2273.09 -1458.3,2273.09 -1483.88,2298.66 -1483.88,2362.6
  region net +6V: -1485.61,3259.97 -1485.61,3322.62 -1446.69,3361.54 -1165.44,3361.54 -1165.44,3455.75 -1519.38,3455.75 -1528.19,3446.94 -1528.19,3235.01 -1514.97,3221.79
  region net +5V: -1697.24,2458 -1606,2458 -1590.86,2442.86 -1590.86,2288.6 -1601.17,2278.29 -1636.41,2278.29 -1651.01,2292.9 -1651.01,2401.6 -1660.47,2411.05 -1697.42,2411.05
  region net +5V: -1671.38,1924.75 -1671.38,1990.38 -1750.53,2069.53 -1750.53,2451.7 -1744.23,2458 -1697.24,2458 -1672.28,2433.04 -1672.28,2095.28 -1622.55,2045.55 -1622.55,1920.23 -1630.65,1912.14
  region net VIN: -1817,1805 -1817,3341 -1789.5,3368.5 -1719.89,3368.5 -1719.89,3409.47 -1741.74,3431.33 -1836.67,3431.33 -1893,3375 -1893,1828
  region net VIN: -1619.08,3261.55 -1619.08,3319.08 -1704,3404 -1745,3404 -1745,3333 -1728,3316 -1728,3201.1 -1724.3,3197.4 -1624.87,3197.4
  region net NetC13_2: -1485.48,1747 -1485.48,1787.06 -1461.35,1811.2 -1431.42,1811.2 -1420.8,1821.82 -1474.86,1875.88 -1661.9,1875.88 -1672.28,1865.5 -1672.28,1830.5 -1653.28,1811.5 -1548.96,1811.5 -1528.36,1790.9 -1528.36,1733.38
  region net VIN: -1817,1601 -1817,1805 -1790.41,1831.59 -1745.18,1831.59 -1745.18,1862.5 -1748.66,1865.99 -1855.01,1865.99 -1893,1828 -1893,1580 -1869,1556
  region net VIN: -1708.37,1862.91 -1708.37,1832.37 -1670,1794 -1630,1794 -1619,1783 -1619,1663.54 -1619.09,1663.44 -1729.13,1663.44 -1729.15,1663.43 -1730.93,1665.21 -1730.93,1808.93 -1756.87,1834.87
  region net PB-: -1508,2313 -1508,2135.3 -1519.05,2124.26 -1521.16,2126.37 -1549.77,2126.37 -1543.24,2132.9 -1543.24,2284.84
  pour cut-out: -1938,18 -1488.15,18 -1488.15,-242 -1938,-242
  pour cut-out: 1546.51,18.12 1996.36,18.12 1996.36,-241.88 1546.51,-241.88
  pour cut-out: 520.83,3533.28 520.83,3254.02 243.61,3254.02 243.61,3533.28
  pour cut-out: -180,3533.28 -180,3256 -457.22,3256 -457.22,3533.28
  region net NetC23_1: 858.98,237.21 873.98,222.21 873.98,133.21 845.98,105.21 741.97,105.21 714.98,132.21 714.98,229.21 722.98,237.21
  region net NetC22_1: 651.44,235.82 666.44,220.82 666.44,131.82 638.44,103.83 534.43,103.83 507.44,130.82 507.44,227.82 515.44,235.82
  region net NetC75_2: 859,405.1 874,390.1 874,301.1 846,273.11 742,273.11 715,300.1 715,397.1 723,405.1
  region net NetC75_2: 650.94,407.01 665.94,392.01 665.94,303.01 637.95,275.01 533.94,275.01 506.94,302.01 506.94,399.01 514.94,407.01
  region net NetC70_2: -476.54,403.36 -461.54,388.36 -461.54,299.36 -489.54,271.37 -593.55,271.37 -620.54,298.36 -620.54,395.36 -612.54,403.36
  region net NetC70_2: -702.26,407.1 -687.26,392.1 -687.26,303.1 -715.26,275.1 -819.27,275.1 -846.26,302.1 -846.26,399.1 -838.26,407.1
  region net NetC17_1: -476,229.69 -461,214.69 -461,125.69 -489,97.7 -593,97.7 -620,124.69 -620,221.69 -612,229.69
  region net NetC16_1: -702,224 -687,209 -687,120 -715,92 -819,92 -846,119 -846,216 -838,224
  region net VIN: -1422,598 -1389,565 -1310.11,565 -1291.08,545.97 -1291.08,289.11 -1372.13,208.06 -1483.69,208.06
  region net NetC23_1: 929.4,188.97 929.4,307.24 943.25,321.09 1097.31,321.09 1113.23,305.17 1113.23,182.49 1093.09,162.36 956.01,162.36
  region net VIN: 929.4,367.02 929.4,485.28 943.25,499.14 1097.31,499.14 1113.23,483.22 1113.23,360.54 1093.09,340.4 956.01,340.4
  region net VIN: 323,480 443,480 483.75,439.25 483.75,343.14 457.49,316.87 334.13,316.87 324,327
  region net NetC22_1: 315.85,171.42 315.85,289.68 329.7,303.54 483.75,303.54 499.67,287.62 499.67,164.94 479.54,144.81 342.46,144.8
  region net NetC17_1: -414.27,184.75 -414.27,303.02 -400.41,316.87 -246.36,316.87 -230.44,300.95 -230.44,178.27 -250.57,158.14 -387.65,158.14
  region net VIN: -416.2,361.82 -416.2,480.08 -402.34,493.94 -248.29,493.94 -232.37,478.02 -232.37,355.34 -252.51,335.2 -389.59,335.2
  region net NetC16_1: -1072.62,184.45 -1072.62,302.71 -1058.76,316.57 -904.71,316.57 -888.79,300.65 -888.79,177.97 -908.92,157.83 -1046,157.83
  region net VIN: -1073,365.42 -1073,483.68 -1059.14,497.54 -905.09,497.54 -889.17,481.62 -889.17,358.94 -909.31,338.81 -1046.39,338.8
  region net PB+: -1599,540 -1639,500 -1711,500 -1747,464 -1747,237 -1777,207 -1896,207 -1914,225 -1914,729 -1872,771 -1685.15,771 -1599,684.85
  region net VIN: -1629,454 -1566.5,516.5 -1566.5,680 -1893,1006.5 -1893,1601 -1817,1601 -1817,1036.85 -1551.15,771 -1448.79,771 -1448.79,464.27 -1490.5,422.55
  region net +15V: -1447,1078 -1157.04,1078 -1092,1143.04 -1092,1226 -1102,1236 -1144.2,1236 -1155.48,1224.72 -1155.48,1155.33 -1178.31,1132.5 -1236.01,1132.5 -1269.79,1166.28 -1454.09,1166.28 -1469.21,1151.17 -1469.21,1092.21 -1454.89,1077.9
  region net NetD27_1: -1413,991 -1598,991 -1612.22,1005.22 -1612.22,1139.78 -1597,1155 -1540,1155 -1529.9,1144.9 -1529.9,1077.9 -1510,1058 -1428,1058 -1413,1043
  region net NetC32_1: -1395,868.47 -1407.47,856 -1487,856 -1519.1,888.1 -1599,888.1 -1599,886.6 -1606.25,879.35 -1606.25,849.25 -1560,803 -1321,803 -1311,813 -1311,923 -1317,929 -1391,929 -1395,925
  region net VIN: -1405,681 -1405,709 -1391.73,722.27 -1391.73,765.38 -1397.35,771 -1448.79,771 -1461,758.79 -1461,685.05 -1444.35,668.4
  region net VIN: -1405,681 -1405,286.75 -1483.69,208.06 -1665.06,208.06 -1701,244 -1701,435 -1678,458 -1520,458 -1461,517 -1461,687
  region net BAT_GND: 1806,638 1806,849 1753,902 1550,902 1535,887 1535,783 1569,749 1623,749 1650.04,721.96 1650.04,634.83 1679.87,605 1790.47,605 1805.87,620.4
  region net NetQ1_5: 1664.47,1339 1664.47,937 1487,937 1487,1339
  region net NetC75_2: 542.73,407 694.73,407 757.73,407 815.73,407 815.73,565 895.48,565 898.37,562.11 898.37,315 542.73,315
  region net NetC70_2: -800,407 -648,407 -585,407 -527,407 -527,565 -447.25,565 -444.36,562.11 -444.36,315 -800,315

## Silkscreen, mask and mechanical layers (free items; w line width, h text height)
Top Overlay:
  drawing of 2561 lines, arcs and shapes, not listed
  text "2022/6/3---By---DingD" at 567.28,2736.51 h40 r45
  text "WJ-design" at -69.48,176.99 h40
Top Solder:
  text "xxxx队名" at 1241.28,1938.04 h90 r90
  text "2022年" at 1015,1880 h90 r90
  text "xxxxxxxxxxxxx学校" at 1140,1486.79 h90 r90
  text "xxxx组别" at 1240.97,1486.79 h90 r90
Bottom Solder:
  region: -1769,737 -1777.2,745.2 -1882.8,745.2 -1901,727 -1901,484 -1879,462 -1774,462 -1725.92,510.08 -1646.92,510.08 -1618,539 -1618,590 -1628,600 -1751,600 -1769,618
Mechanical 1:
  lines w10: -379.74,3442.9 cw(c-318.49,3441.65) -317.24,3502.9 ; -379.64,3441.53 -379.64,3411.43 ; -379.46,3408.75 -379.46,3347.46 ccw(c-316.96,3349.96) -311.53,3287.65 ; -319.85,3502.79 cw(c-315.99,3441.65) -254.74,3442.9 ; -316.96,3287.46 ccw(c-315.71,3348.71) -254.46,3347.46 ; -254.64,3347.64 -254.64,3411.43 -254.64,3441.53 ; 317.48,3439.95 cw(c378.73,3438.7) 379.98,3499.95 ; 317.58,3438.58 317.58,3408.48 ; 317.76,3405.8 317.76,3344.52 ccw(c380.26,3347.02) 385.69,3284.7 ; 377.37,3499.84 cw(c381.23,3438.7) 442.48,3439.95 ; 380.26,3284.52 ccw(c381.51,3345.77) 442.76,3344.52 ; 442.58,3344.7 442.58,3408.48 442.58,3438.58 ; -1881.28,-124.96 ccw(c-1820.03,-126.21) -1821.28,-187.46 ; -1881.28,-124.96 cw(c-1820.03,-123.71) -1821.28,-62.46 ; -1881.28,-124.96 cw(c-1820.03,-123.71) -1821.28,-62.46 ; -1881.28,-124.96 ccw(c-1820.03,-126.21) -1821.28,-187.46 ; -1821.28,-187.46 -1706.28,-187.46 ; -1821.28,-62.46 -1706.28,-62.46 -1636.28,-62.46 ; -1706.28,-187.46 -1706.28,-187.46 ; -1706.28,-187.46 -1636.28,-187.46 ; -1706.28,-187.46 -1706.28,-187.46 ; -1636.28,-187.46 ccw(c-1638.78,-124.96) -1576.28,-122.46 cw(c-1638.78,-124.96) -1636.28,-187.46 ; -1636.28,-62.46 cw(c-1637.53,-123.71) -1576.28,-124.96 ccw(c-1637.53,-123.71) -1636.28,-62.46 ; -379.64,3411.43 -379.64,3411.43 ; 317.58,3408.48 317.58,3408.48 ; 1695,-186.89 cw(c1696.25,-125.64) 1635,-124.39 ccw(c1696.25,-125.64) 1695,-186.89 ; 1695,-186.89 1765,-186.89 1880,-186.89 ccw(c1878.75,-125.64) 1940,-124.39 ccw(c1878.75,-123.14) 1880,-61.89 1765,-61.89 ; 1695,-61.89 ccw(c1697.5,-124.39) 1635,-126.89 cw(c1697.5,-124.39) 1695,-61.89 ; 1695,-61.89 1765,-61.89 ; 1765,-61.89 1765,-61.89 ; -1938.14,-241.86 -1938.14,3658.18 1997,3658.18 1997,-241.86 -1938.14,-241.86 ; -379.64,3408.93 -379.64,3408.93 ; 317.58,3405.98 317.58,3405.98

## Text inside footprints (layer, text, board x,y; h text height)
JP5: Top Overlay "2" at -435,-31 h40; Top Overlay "1" at -425,-131 h40; Top Overlay "9" at 437,-139 h40; Top Overlay "10" at 437,-39 h40
JP8: Top Overlay "5" at -1531,17.17 h40 r180; Top Overlay "6" at -1531,-82.83 h40 r180; Top Overlay "2" at -859,-90.83 h40 r180; Top Overlay "1" at -869,9.17 h40 r180
JP9: Top Overlay "5" at 954,17.17 h40 r180; Top Overlay "6" at 954,-82.83 h40 r180; Top Overlay "2" at 1626,-90.83 h40 r180; Top Overlay "1" at 1616,9.17 h40 r180
SW2: Top Overlay "ON" at -1041.42,1545.37 h40 r90